# KiCad board project.kicad_pcb (continued)
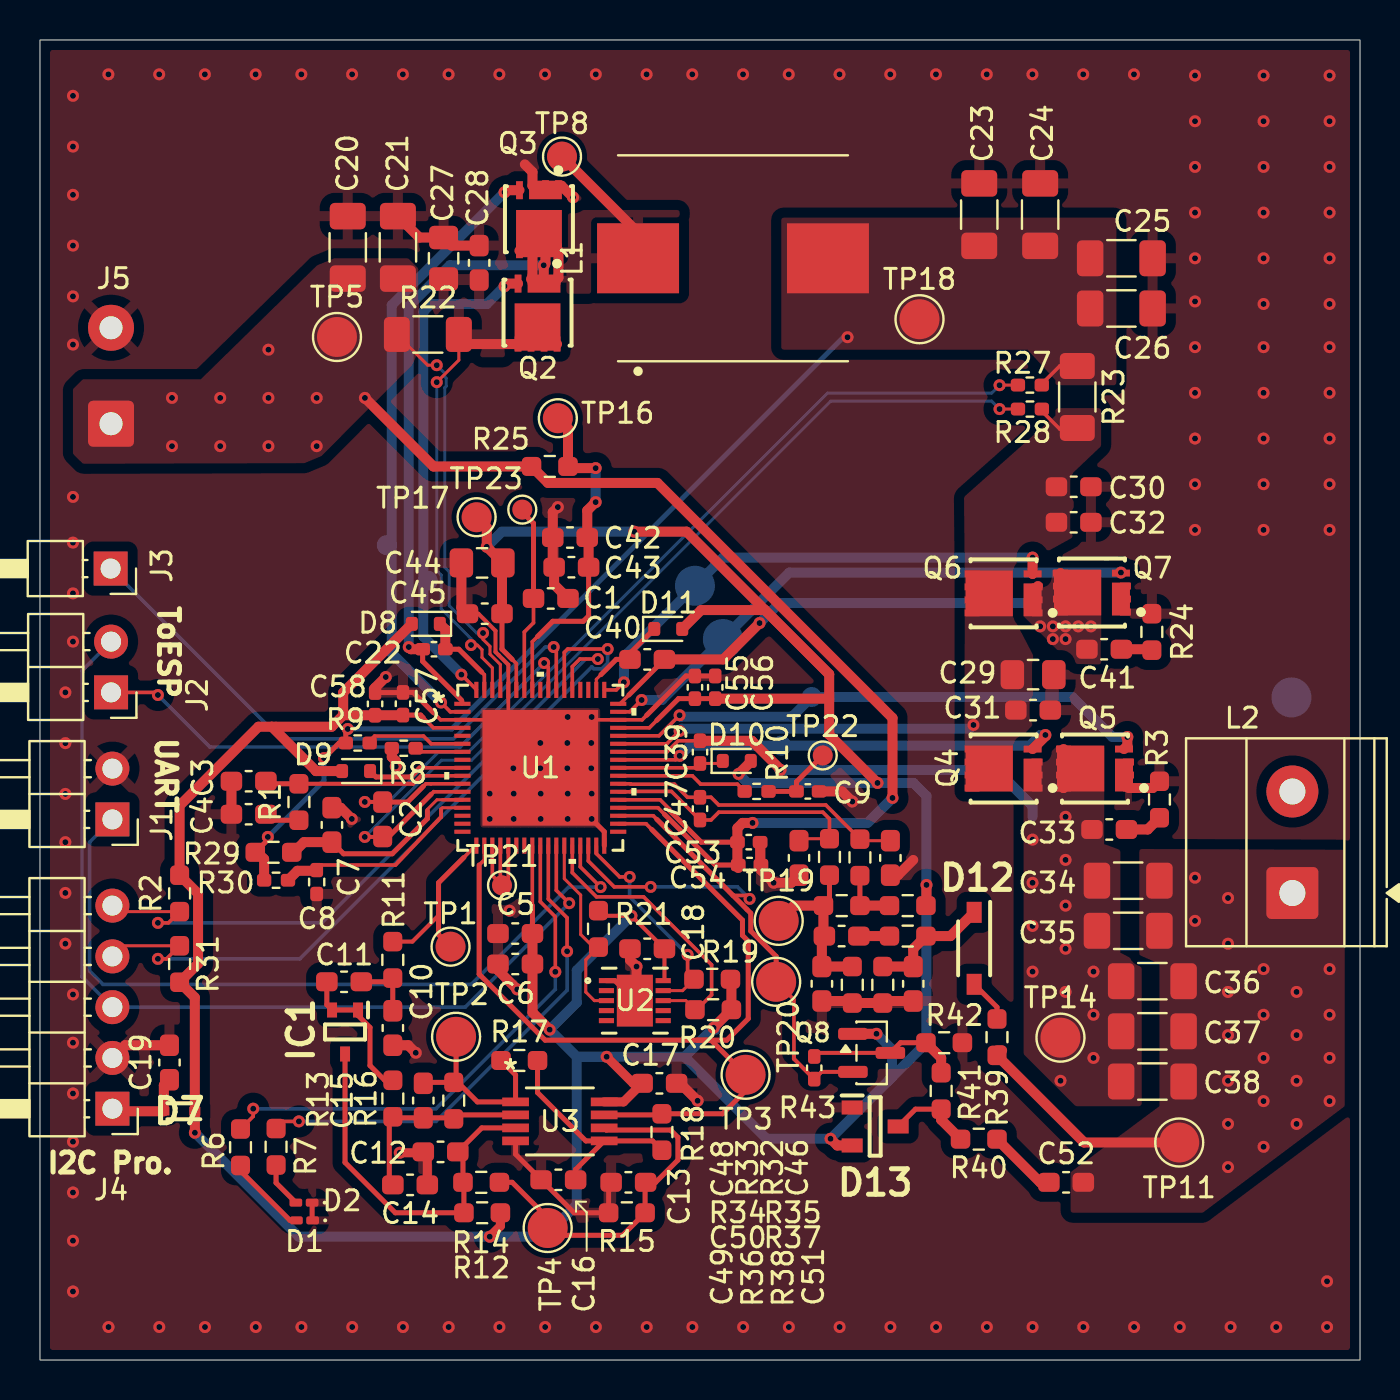
[diagram p0: board, top side]
## Footprints (pads in the part's own frame, mm; a bottom-side part is the same pattern mirrored in y, then rotated)
C_0402_1005Metric_Pad0.74x0.62mm_HandSolder
  rrect 0.735x0.62 smd: 1(-0.568,0) 2(0.568,0)
C_0603_1608Metric_Pad1.08x0.95mm_HandSolder
  rrect 1.075x0.95 smd: 1(-0.863,0) 2(0.863,0)
C_0805_2012Metric_Pad1.18x1.45mm_HandSolder
  rrect 1.175x1.45 smd: 1(-1.038,0) 2(1.038,0)
C_1206_3216Metric_Pad1.33x1.80mm_HandSolder
  rrect 1.325x1.8 smd: 1(-1.562,0) 2(1.562,0)
D_SOD-523
  rrect 0.6x0.7 smd: 1(-0.7,0) 2(0.7,0)
DGK8_TEX
  rect 1.333x0.432 smd: 1(-2.216,0.975) 2(-2.216,0.325) 3(-2.216,-0.325) 4(-2.216,-0.975) 5(2.216,-0.975) 6(2.216,-0.325) 7(2.216,0.325) 8(2.216,0.975)
IFX-PG-TSDSON-8-26-V
  rect 0.55x0.34 smd: 1(-1.625,0.975) 2(-1.625,0.325) 3(-1.625,-0.325)
  custom 0.9x1.64 smd: 1(-0.95,1.145)
  rect 0.9x0.34 smd: 4(-1.4,-0.975)
  rect 0.75x0.34 smd: 5(1.625,-0.975) 6(1.625,-0.325) 7(1.625,0.325) 8(1.625,0.975)
  custom 2.361x2.29 smd: 8(-0.41,1.145)
LED_0201_0603Metric_Pad0.64x0.40mm_HandSolder
  rrect 0.458x0.36 smd: (-0.432,0) (0.432,0)
  rrect 0.635x0.4 smd: 1(-0.407,0) 2(0.407,0)
PG-USON-10-2
  rect 0.757x0.255 smd: 1(-1.42,1) 2(-1.42,0.5) 3(-1.42,0) 4(-1.42,-0.5) 5(-1.42,-1) 6(1.42,-1) 7(1.42,-0.5) 8(1.42,0) 9(1.42,0.5) 10(1.42,1)
  rect 1.803x2.591 smd: 11(0,0)
PG-VQFN-68
  rect 0.808x0.204 smd: 1(-3.897,3.2) 2(-3.897,2.8) 3(-3.897,2.4) 4(-3.897,2) 5(-3.897,1.6) 6(-3.897,1.2) 7(-3.897,0.8) 8(-3.897,0.4) 9(-3.897,0) 10(-3.897,-0.4) 11(-3.897,-0.8) 12(-3.897,-1.2) 13(-3.897,-1.6) 14(-3.897,-2) 15(-3.897,-2.4) 16(-3.897,-2.8) 17(-3.897,-3.2) 35(3.897,-3.2) 36(3.897,-2.8) 37(3.897,-2.4) 38(3.897,-2) 39(3.897,-1.6) 40(3.897,-1.2) 41(3.897,-0.8) 42(3.897,-0.4) 43(3.897,0) 44(3.897,0.4) 45(3.897,0.8) 46(3.897,1.2) 47(3.897,1.6) 48(3.897,2) 49(3.897,2.4) 50(3.897,2.8) 51(3.897,3.2)
  rect 0.204x0.808 smd: 18(-3.2,-3.897) 19(-2.8,-3.897) 20(-2.4,-3.897) 21(-2,-3.897) 22(-1.6,-3.897) 23(-1.2,-3.897) 24(-0.8,-3.897) 25(-0.4,-3.897) 26(0,-3.897) 27(0.4,-3.897) 28(0.8,-3.897) 29(1.2,-3.897) 30(1.6,-3.897) 31(2,-3.897) 32(2.4,-3.897) 33(2.8,-3.897) 34(3.2,-3.897) 52(3.2,3.897) 53(2.8,3.897) 54(2.4,3.897) 55(2,3.897) 56(1.6,3.897) 57(1.2,3.897) 58(0.8,3.897) 59(0.4,3.897) 60(0,3.897) 61(-0.4,3.897) 62(-0.8,3.897) 63(-1.2,3.897) 64(-1.6,3.897) 65(-2,3.897) 66(-2.4,3.897) 67(-2.8,3.897) 68(-3.2,3.897)
  rect 5.791x5.791 smd: 69(0,0)
PinHeader_1x01_P2.54mm_Horizontal
  rect 1.7x1.7 hole 1: 1(0,0)
PinHeader_1x02_P2.54mm_Horizontal
  rect 1.7x1.7 hole 1: 1(0,0)
  round 1.7 hole 1: 2(0,-2.54)
PinHeader_1x05_P2.54mm_Horizontal
  rect 1.7x1.7 hole 1: 1(0,0)
  round 1.7 hole 1: 2(0,-2.54) 3(0,-5.08) 4(0,-7.62) 5(0,-10.16)
R_0402_1005Metric_Pad0.72x0.64mm_HandSolder
  rrect 0.715x0.64 smd: 1(-0.598,0) 2(0.598,0)
R_0603_1608Metric_Pad0.98x0.95mm_HandSolder
  rrect 0.975x0.95 smd: 1(-0.912,0) 2(0.912,0)
R_1206_3216Metric_Pad1.30x1.75mm_HandSolder
  rrect 1.3x1.75 smd: 1(-1.55,0) 2(1.55,0)
SOD3716X135N
  rect 1.05x0.75 smd: 1(-1.8,0) 2(1.8,0)
SODFL1608X65N
  rect 0.55x0.42 smd: 1(-0.775,0) 2(0.775,0)
SolderWire-0.5sqmm_1x02_P4.8mm_D0.9mm_OD2.3mm
  rrect 2.3x2.3 hole 1.15: 1(0,0)
  round 2.3 hole 1.15: 2(4.8,0)
SOT65P210X100-3N
  rect 0.75x0.5 smd: 1(-1.1,0.65) 2(-1.1,-0.65) 3(1.1,0)
SOT95P240X120-3N
  rect 1.05x0.7 smd: 1(-1.15,0.95) 2(-1.15,-0.95) 3(1.15,0)
SOT-23
  rrect 1.475x0.6 smd: 1(-0.938,0.95) 2(-0.938,-0.95) 3(0.938,0)
TerminalBlock_Phoenix_MKDS-1,5-2-5.08_1x02_P5.08mm_Horizontal
  rrect 2.6x2.6 hole 1.3: 1(0,0)
  round 2.6 hole 1.3: 2(5.08,0)
TestPoint_Pad_D1.0mm
  round 1 smd: 1(0,0)
TestPoint_Pad_D1.5mm
  round 1.5 smd: 1(0,0)
TestPoint_Pad_D2.0mm
  round 2 smd: 1(0,0)
Yageo_Pulse_PA4342_10.3x11.5mm
  rect 3.5x4.1 smd: 1(0,4.75) 2(0,-4.75)

## Nets
/Vin: C42.2 C43.2 R25.2 TP16.1 U1.61
GND: C1.2 C3.1 C4.1 C5.1 C6.1 C7.1 C8.1 C9.2 C10.2 C12.2 C13.2 C14.1 C16.1 C17.2 C18.1 C19.2 C20.2 C21.2 C23.2 C24.2 C25.2 C26.2 C27.2 C28.2 C29.2 C30.2 C31.2 C32.2 C42.1 C43.1 C44.1 C45.1 C46.2 C48.2 C49.1 C51.1 C53.2 C54.2 C55.1 C56.1 C57.1 C58.1 D1.1 D2.1 D13.1 J1.2 J4.2 J5.2 Q3.1 Q3.2 Q3.3 Q5.1 Q5.2 Q5.3 Q7.1 Q7.2 Q7.3 R3.2 R8.1 R15.2 R24.2 R36.1 R38.1 R42.2 U1.3 U1.34 U1.49 U1.64 U1.69 U2.1 U2.11 U3.4
PVIN_0: C20.1 C21.1 C53.1 C54.1 J5.1 R22.1 R25.1 TP5.1 U1.38 U1.39 U1.65
VDDD: C5.2 C6.2 C17.1 C18.2 C44.2 C45.2 C55.2 C56.2 C57.2 C58.2 D7.1 D8.2 D9.2 D10.2 D11.2 D13.2 Q8.1 R2.2 R12.1 R19.1 R20.1 R21.1 R31.2 R35.2 TP17.1 U1.4 U1.25 U1.48 U1.63 U2.10 U3.8
/ASK_DEMOD: R18.2 TP3.1 U1.19 U1.36 U3.7
/ASK_I_N: C49.2 C50.2 R33.2 R34.1 R36.2 TP19.1
/ASK_I_P: R32.2 R34.2 R35.1
/ASK_N: C47.1 C48.1 R33.1 U1.40
/ASK_OUT: R11.1 TP1.1 U1.18
/ASK_P: C46.1 C47.2 R32.1 U1.41
/ASK_PEAK: C51.2 D12.1 R37.2 R38.2
/BST1_0: C22.2 D8.1 U1.67
/BST1_1: C40.1 D11.1 U1.53
/BST2_0: D9.1 U1.9
/BST2_1: C39.1 D10.1 U1.43
/COIL_SNS: C34.2 C35.2 C36.2 C37.2 C38.2 C52.2 L2.1 R39.2 TP11.1
/HG1_0: Q2.4 TP6.1 U1.68
/HG1_1: Q6.4 TP12.1 U1.52
/HG2_1: Q4.4 TP9.1 U1.44
/HPI_I2C_SCL: J4.4 R31.1 U1.57
/HPI_I2C_SDA: J4.5 R2.1 U1.56
/IIN_CS0_N: C27.1 C28.1 Q2.5 Q2.6 Q2.7 Q2.8 R22.2 U1.66
/IOUT_CSN_0: C29.1 C30.1 C31.1 C32.1 Q4.5 Q4.6 Q4.7 Q4.8 Q6.5 Q6.6 Q6.7 Q6.8 R23.2 R28.1 U1.46
/IOUT_CSP_0: C23.1 C24.1 C25.1 C26.1 L1.2 R9.2 R23.1 R27.1 R29.1 R30.1 TP18.1
/IOUT_CSP_0_N: C2.2 R28.2 U1.12
/IOUT_CSP_0_P: C2.1 R27.2 U1.11
/LG1_0: Q3.4 TP7.1 U1.2
/LG1_1: Q7.4 TP13.1 U1.50
/LG2_1: Q5.4 TP10.1 U1.47
/OPTIGA_I2C_INT: R19.2 U1.33 U2.9
/OPTIGA_I2C_SCL: R20.2 U1.30 U2.8
/OPTIGA_I2C_SDA: R21.2 U1.29 U2.3
/Q_COMP: Q8.2 R43.2 TP20.1 U1.32 U1.37
/SW1_0: C22.1 L1.1 Q2.1 Q2.2 Q2.3 Q3.5 Q3.6 Q3.7 Q3.8 TP8.1 U1.1
/SW1_1: C40.2 C41.1 L2.2 Q6.1 Q6.2 Q6.3 Q7.5 Q7.6 Q7.7 Q7.8 TP15.1 U1.51
/SW2_1: C33.1 C34.1 C35.1 C36.1 C37.1 C38.1 C39.2 Q4.1 Q4.2 Q4.3 Q5.5 Q5.6 Q5.7 Q5.8 TP14.1 U1.45
/toESP: J2.1 U1.59
/XRES: J2.2 J4.3 U1.28
Net-(C4-Pad2): C4.2 R1.1
Net-(C9-Pad1): C9.1 R10.2 TP22.1
Net-(C10-Pad1): C10.1 C11.1 R11.2
Net-(C33-Pad2): C33.2 R3.1
Net-(C41-Pad2): C41.2 R24.1
Net-(C50-Pad1): C50.1 R37.1
Net-(C52-Pad1): C52.1 R40.1
Net-(D1-A): D1.2 R6.1
Net-(D2-A): D2.2 R7.1
Net-(D7-A): C19.1 D7.2 J4.1
Net-(D12-A): D12.2 R39.1
Net-(D13-A_/_C): D13.3 R40.2 R41.1
Net-(IC1-A): C11.2 IC1.1 IC1.2 R13.1
Net-(IC1-A/K): C12.1 IC1.3 R12.2 R14.1 U3.3
Net-(J1-Pin_1): J1.1 U1.31
Net-(J3-Pin_1): J3.1 U1.58
Net-(Q8-D): Q8.3 R41.2 R42.1 R43.1
Net-(U1-ASK_TST): R10.1 U1.42
Net-(U1-COMP): C3.2 R1.2 U1.10
Net-(U1-LED1): R6.2 U1.26
Net-(U1-LED2): R7.2 U1.27
Net-(U1-PWM_IN1): TP21.1 U1.20 U1.21 U1.22
Net-(U1-SW2_0): R8.2 U1.7
Net-(U1-VBB_0): R9.1 U1.6
Net-(U1-VBRG): C7.2 R29.2 U1.13
Net-(U1-VBRG_DIS): C8.2 R30.2 U1.14
Net-(U1-VCCD): C1.1 TP23.1 U1.62
Net-(U3-+INB): C16.2 R17.2 R18.1 U3.5
Net-(U3--INA): C14.2 C15.1 R13.2 R16.1 U3.2
Net-(U3--INB): C13.1 R14.2 R15.1 TP4.1 U3.6
Net-(U3-OUTA): C15.2 R16.2 R17.1 TP2.1 U3.1

Pads without a net: U1 5 8 15 16 17 23 24 35 54 55 60; U2 2 4 5 6 7

## Via types
v1: diameter 0.6, hole 0.3, Top to Bottom, 253 vias

## Routing (per net, layer and track width the routed paths; a pad name or vN(x,y) marks a point on that pad's centre or on a via; arc(x,y) is an arc through that point)
/Vin: length 17.4
  Top w0.18: 24.89,36.2 24.63,35.93 U1.61
  Top w0.25: 24.89,36.2 25.65,36.96 27.18,36.96 27.45,37.23 C43.2
  Top w0.5: TP16.1 26.42,46.61 R25.2 26.5,44.62 v1(27.8,44.62) ; v1(27.8,42.92) 27.38,42.5 C42.2 27.45,41.08 C43.2
  Bottom w0.5: v1(27.8,42.92) v1(27.8,44.62)
GND: length 93.4
  Top w0.18: U1.69 23.43,31.23 U1.64 23.43,34.48 ; U1.69 27.43,32.03 U1.49 30.12,32.03 30.35,32.26 ; U1.69 22.63,32.03 U1.3 20.04,32.03 19.68,32.39
  Top w0.2: 23.43,34.48 23.43,34.78 22.79,35.43 22.79,36.48 21.93,37.34 21.39,37.34
  Top w0.25: D1.1 13.62,7.01 D2.1 ; C58.1 18.15,33.39 18.16,33.4 18.67,33.4 19.68,32.39 ; U1.69 28.23,26.43 U1.34 ; C13.2 28.45,8.76 R15.2 26.72,7.37 C16.1 23.79,10.3 U3.4 ; C56.1 C55.1 32.32,34.22 30.35,32.26 ; U2.1 28.76,18.98 U2.11
  Top w0.45: v1(18,10.37) 19.13,10.37 C12.2 19.38,10.21 C14.1
  Top w0.5: C49.1 40.54,17.96 R36.1 R38.1 42.26,17.96 C51.1 ; C18.1 29.52,20.01 v1(29.84,19.69) 29.84,18.07 U2.11 ; C21.2 18.98,56.16 C27.2 20.6,55.75 21.97,55.75 ; C53.2 36.03,24.81 C54.2 36.07,24.51 v1(36.7,23.88) 37.59,23.88 C48.2 ; C3.1 C4.1 ; v1(15.6,27.07) 15.04,27.63 14.6,27.63 ; v1(17.3,34.17) 16.76,33.63 C58.1 ; v1(25.91,42.67) 25.65,42.42 C42.1 25.65,39.73 C43.1 25.72,38.79 C1.2 ; C10.2 18.42,15.75 v1(18.8,15.37) ; 22.91,19.81 22.91,19.51 v1(23.88,18.54) ; v1(26.67,58.17) 26.09,58.75 Q3.1 Q3.3 24.64,59.44 24.26,59.82 ; C44.1 21.08,37.65 21.39,37.34 ; 43.69,25.02 42.93,24.26 C46.2 ; R3.2 55.67,28.62 Q5.1 ; C17.2 32.03,13.84 v1(32.9,12.97) ; C19.2 4.26,15.75 J4.2 ; v1(40.64,27.94) 40.13,28.45 C9.2 ; v1(17.8,29.7) 17.8,29.97 17.6,30.17 R8.1
  vias: v1(1.27,33.4) v1(1.27,30.86) v1(1.27,28.32) v1(1.27,25.91) v1(1.27,23.37) v1(1.27,20.83) v1(1.65,63.25) v1(1.65,60.71) v1(1.65,58.29) v1(1.65,55.75) v1(1.65,53.21) v1(1.65,50.8) v1(1.65,43.18) v1(1.65,40.89) v1(1.65,38.35) v1(1.65,35.94) v1(1.65,18.29) v1(1.65,15.88) v1(1.65,13.34) v1(1.65,10.92) v1(1.65,8.38) v1(1.65,5.97) v1(1.65,3.43) v1(3.42,64.32) v1(3.43,1.65) v1(5.96,64.32) v1(5.97,1.65) v1(8.25,64.32) v1(8.25,1.65) v1(10.79,64.32) v1(10.8,1.65) v1(13.08,64.32) v1(13.08,1.65) v1(15.62,64.32) v1(15.62,1.65) v1(18.16,64.32) v1(18.16,1.65) v1(20.44,64.32) v1(20.45,1.65) v1(22.5,28.33) v1(22.5,27.07) v1(22.98,64.32) v1(22.99,1.65) v1(23.49,22.48) v1(23.68,29.61) v1(23.7,28.33) v1(23.7,27.07) v1(25.03,30.87) v1(25.03,29.61) v1(25.05,27.07) v1(25.05,28.33) v1(25.27,64.32) v1(25.27,1.65) v1(26.4,32.17) v1(26.38,30.87) v1(26.38,29.61) v1(26.4,28.33) v1(26.4,27.07) v1(27.6,32.17) v1(27.58,30.87) v1(27.58,29.61) v1(27.6,28.33) v1(27.6,27.07) v1(27.81,64.32) v1(27.81,1.65) v1(30.35,64.32) v1(30.35,1.65) v1(32.63,64.32) v1(32.64,1.65) v1(35.17,64.32) v1(35.18,1.65) v1(37.46,64.32) v1(37.46,1.65) v1(40,64.32) v1(40.01,1.65) v1(42.54,64.32) v1(42.54,1.65) v1(44.83,64.32) v1(44.83,1.65) v1(47.37,64.32) v1(47.37,1.65) v1(49.65,64.32) v1(49.66,1.65) v1(52.19,64.32) v1(52.2,1.65) v1(54.73,64.32) v1(54.74,1.65) v1(57.02,1.65) v1(57.79,64.26) v1(57.79,61.98) v1(57.79,59.69) v1(57.79,57.4) v1(57.79,55.12) v1(57.79,52.96) v1(57.79,50.67) v1(57.79,48.39) v1(57.79,46.1) v1(57.79,43.82) v1(57.79,41.53) v1(59.56,1.65) v1(61.21,64.26) v1(61.21,61.98) v1(61.21,59.69) v1(61.21,57.4) v1(61.21,55.12) v1(61.21,52.83) v1(61.21,50.67) v1(61.21,48.39) v1(61.21,46.1) v1(61.21,43.82) v1(61.21,41.53) v1(61.85,1.65) v1(64.39,3.94) v1(64.39,1.65) v1(64.52,64.26) v1(64.52,61.98) v1(64.52,59.69) v1(64.52,57.4) v1(64.52,55.12) v1(64.52,52.83) v1(64.52,50.67) v1(64.52,48.39) v1(64.52,46.1) v1(64.52,43.82) v1(64.52,41.53)
PVIN_0: length 81.9
  Top w0.15: v1(22.16,36.37) 22.16,36.05 22.51,35.7 22.51,35.31 23.03,34.79 U1.65 ; v1(19.85,49.77) 19.39,49.77 R22.1
  Top w0.18: U1.39 31.03,28.03 31.5,27.56 31.5,27.49 ; 31.24,27.31 30.92,27.63 U1.38
  Top w0.25: 31.24,27.31 33.78,24.77 C54.1 ; 31.5,27.49 33.08,25.91 C53.1
  Top w0.5: v1(42.65,28.12) 42.65,32.12 30.89,43.88 25.42,43.88 24.59,44.7 19.68,44.7 v1(16.26,48.13) ; v1(35.65,26.87) 35.15,26.87 34.89,26.61 C53.1 34.89,24.81 C54.1 34.93,24.61
  Bottom w0.15: v1(22.16,36.37) 21.85,36.37 20.47,37.74 20.47,39.43 20.25,39.66 20.25,48.65 20.32,48.72 20.32,49.12 20.25,49.19 20.25,49.37 v1(19.85,49.77)
  Bottom w0.5: v1(35.65,26.87) 41.4,26.87 v1(42.65,28.12)
  vias: v1(6.6,48.13) v1(6.6,45.72) v1(9.02,48.13) v1(9.02,45.72) v1(11.43,50.55) v1(11.43,48.13) v1(11.43,45.72) v1(13.84,48.13) v1(13.84,45.72)
VDDD: length 217.7
  Top w0.18: 19.18,32.13 19.68,31.63 U1.4 ; U1.25 24.63,22.74 24.64,22.73 ; U1.63 23.83,34.84 23.62,35.05 ; U1.48 30.49,31.63 30.86,32
  Top w0.2: R21.1 28.2,22.23 v1(29.59,22.23) C18.2 31.24,19.04 U2.10
  Top w0.25: C56.2 C55.2 31.94,33.09 30.86,32 ; 19.18,32.13 19.04,32.27 C57.2 ; C45.2 23.11,35.56 23.62,35.05 ; 24.64,22.73 C5.2 ; 16.77,32.27 C58.2
  Top w0.45: R12.1 23.03,6.7 v1(22.5,6.17) ; v1(28.35,15.17) 29.68,13.84 C17.1 29.2,12.91 U3.8
  Top w0.5: R19.1 34.59,19 34.59,17.53 33.7,16.64 v1(33.7,16.62) ; 15.17,32.26 C58.2 18.15,32.26 C57.2 ; 15.17,32.26 14.59,31.68 11.6,31.68 ; 15.17,32.26 15.17,33.39 D8.2 ; v1(41.85,16.32) 40.67,16.32 Q8.1 ; v1(41.9,28.87) 39.48,31.29 39.48,33.09 ; v1(7.75,11.37) 7.75,12.44 D7.1 7.75,18.14 R31.2 7.91,19.82 7.91,23.33 R2.2 6.98,27.74 10.93,31.68 11.6,31.68 ; v1(29.73,41.44) 32.35,41.44 39.48,34.31 ; D11.2 33.07,37.52 36.27,37.52 39.48,34.31 ; 11.6,31.68 13.81,29.48 13.81,29.46 D9.2 ; v1(25.5,16.53) 24.64,17.39 C6.2 C5.2 ; 39.48,34.31 39.48,33.09 ; 39.48,33.09 C56.2 ; D13.2 39.89,10.73 v1(39.55,11.07) ; D10.2 35.56,29.93 v1(34.95,29.32) ; v1(44.35,23.77) 44.35,22.76 44.32,22.73 ; C45.2 23.11,39.84 C44.2 v1(22.35,40.68) 22.35,41.66 TP17.1
  Bottom w0.5: v1(7.75,11.37) 12.95,6.17 v1(22.5,6.17) 25.25,6.17 26.86,7.78 26.86,15.17 ; v1(41.85,16.32) 42.62,15.55 42.62,14.15 42.45,13.97 ; 42.45,13.97 44.35,15.87 v1(44.35,23.77) 44.35,28.22 43.7,28.87 v1(41.9,28.87) 35.4,28.87 v1(34.95,29.32) ; 42.45,13.97 v1(39.55,11.07) 36.35,11.07 32.25,15.17 ; 26.86,15.17 v1(28.35,15.17) ; 26.86,15.17 v1(25.5,16.53) 26.86,17.88 26.86,19.49 v1(29.59,22.23) ; 26.86,15.17 32.25,15.17 ; v1(29.73,41.44) 23.11,41.44 v1(22.35,40.68) ; 32.25,15.17 v1(33.7,16.62) 33.8,16.52
/ASK_DEMOD: length 46.6
  Top w0.18: U1.36 30.32,26.83 30.61,26.54 ; U1.19 22.23,25.03 21.97,24.77
  Top w0.25: 30.61,26.54 35.15,22.01 35.15,21.24 35.43,20.95 35.43,17.08 34.36,16 32.89,16 ; 32.89,16 25.27,16 21.97,19.3 21.97,24.77 ; 32.89,16 33.57,16 TP3.1 35.3,13.47 34.15,12.32 R18.2 31.06,12.26 U3.7
/ASK_I_N: length 8.8
  Top w0.25: R34.1 39.5,23.03 R33.2
  Top w0.5: R36.2 C49.2 39.12,21.08 C50.2 39.2,21.26 R34.1 37.72,22.73 TP19.1
/ASK_I_P: length 3
  Top w0.25: R34.2 R32.2
  Top w0.5: R34.2 R35.1
/ASK_N: length 14
  Top w0.15: C48.1 38.07,26.08 R33.1
  Top w0.18: U1.40 29.53,28.43 29.55,28.45 31.59,28.45 C47.1 33.57,27.02 33.96,27.41 39.16,27.41 39.5,27.07 R33.1
/ASK_OUT: length 8.9
  Top w0.18: 21.21,25.15 21.8,25.73 U1.18
  Top w0.2: R11.1 18.63,20.93 19.94,22.24
  Top w0.25: 21.21,25.15 19.94,23.88 19.94,21.28 TP1.1
/ASK_P: length 14.8
  Top w0.15: R32.1 41.17,26.06 41.25,25.98 C46.1
  Top w0.18: R32.1 39.31,27.77 33.96,27.77 33.57,28.15 C47.2 32.39,28.15 31.74,28.81 29.55,28.81 29.53,28.83 U1.41
/ASK_PEAK: length 6.2
  Top w0.5: R38.2 C51.2 43.69,20.57 44.32,21.21 45.55,21.21 D12.1
/BST1_0: length 4.6
  Top w0.18: U1.67 22.23,34.28 22.1,34.42
  Top w0.25: C22.2 20.95,35.56 22.1,34.42
  Top w0.5: C22.2 20.28,36.56 D8.1
/BST1_1: length 4.7
  Top w0.15: 28.07,34.29 27.83,34.05 U1.53
  Top w0.25: D11.1 29.52,35.36 C40.1 28.83,35.05 28.07,34.29
/BST2_0: length 4.9
  Top w0.18: U1.9 19,29.63
  Top w0.25: D9.1 16.81,29.17 18.54,29.17 19,29.63
/BST2_1: length 5.4
  Top w0.15: D10.1 34.03,29.84 C39.1
  Top w0.18: U1.43 32.8,29.63 C39.1
/COIL_SNS: length 11.2
  Top w0.5: 48.13,15.49 47.88,15.49 ; TP11.1 52.24,10.88 R39.2
  vias: v1(57.79,24.13) v1(57.79,21.97) v1(59.44,23.11) v1(59.44,20.83) v1(59.44,18.42) v1(59.44,16.26) v1(59.44,13.97) v1(59.44,11.81) v1(59.44,9.65) v1(61.21,19.56) v1(61.21,17.27) v1(61.21,15.11) v1(61.21,12.95) v1(61.21,10.67) v1(62.87,18.42) v1(62.87,16.26) v1(62.87,13.97) v1(62.87,11.81) v1(64.52,19.56) v1(64.52,17.27) v1(64.52,15.11) v1(64.52,12.95)
/HG1_0: length 25.3
  Top w0.18: U1.68 21.83,33.54 v1(21.08,34.29)
  Top w0.5: v1(23.24,53.72) 23.37,53.85 Q2.4
  Bottom w0.5: v1(23.24,53.72) 22.35,52.83 19.56,52.83 19.18,52.45 19.18,36.2 v1(21.08,34.29)
/HG1_1: length 25.7
  Top w0.18: v1(29.21,33.91) 28.83,33.53 U1.52
  Top w0.5: 49.66,39.33 49.66,39.33 v1(49.66,40.15)
  Bottom w0.5: v1(29.21,33.91) 29.21,35.18 TP12.1 34.18,40.15 v1(49.66,40.15)
/HG2_1: length 22.9
  Top w0.18: U1.44 31.81,30.03 v1(32,30.23)
  Top w0.5: Q4.4 50.3,31.21 v1(50.3,31.27)
  Bottom w0.5: v1(50.3,31.27) 50.05,31.27 49.52,30.73 TP9.1 32.51,30.73 v1(32,30.23)
/HPI_I2C_SCL: length 38.5
  Top w0.15: R31.1 4.15,20.72 J4.4
  Top w0.18: v1(28.4,35.57) 26.4,35.57 26.23,35.4 U1.57 ; v1(5.9,20.07) 6.33,20.07 R31.1
  Bottom w0.18: v1(5.9,20.07) 13,20.07 27.61,34.68 27.71,34.58 28.11,34.58 28.4,34.87 28.4,35.27 28.3,35.37 28.4,35.47 v1(28.4,35.57)
/HPI_I2C_SDA: length 34.9
  Top w0.15: R2.1 3.92,22.43 J4.5
  Top w0.18: v1(27.91,35.07) 27.01,35.07 26.63,34.69 U1.56 ; R2.1 6.42,21.87 v1(5.9,21.87)
  Bottom w0.18: v1(27.91,35.07) 27.3,35.07 14.1,21.87 v1(5.9,21.87)
/IIN_CS0_N: length 24.7
  Top w0.15: v1(19.85,48.92) 20.95,50.03 R22.2 ; U1.66 22.63,34.63 22.11,35.15 22.11,35.54 21.88,35.77 v1(21.56,35.77)
  Top w0.5: R22.2 21.44,50.83 Q2.5 23.92,50.83 Q2.8
  Bottom w0.15: v1(19.85,48.92) 19.85,39.49 20.07,39.27 20.07,37.58 21.56,36.09 v1(21.56,35.77)
/IOUT_CSN_0: length 20.4
  Top w0.18: 50.06,47.54 51.02,46.58 51.89,46.58 ; v1(32,31.47) 31.36,30.83 U1.46
  Bottom w0.5: v1(46.7,31.77) 46.51,31.58 32.11,31.58 v1(32,31.47)
/IOUT_CSP_0: length 45.3
  Top w0.18: 50.06,48.77 51.02,49.73 R23.1
  Top w0.25: v1(14.21,30.11) 14.97,30.87 R9.2 15.3,31.47 v1(15.4,31.57) ; v1(11.4,26.17) 11.4,26.03 R29.1
  Top w0.5: R30.1 11.21,25.06 10.88,25.4 R29.1
  Bottom w0.25: v1(15.4,31.57) 20.6,31.57 40.2,51.17 v1(40.4,51.17) ; v1(11.4,26.17) 14.21,28.98 v1(14.21,30.11)
/IOUT_CSP_0_N: length 48
  Top w0.15: v1(48.01,47.57) 48.01,47.58 R28.2
  Top w0.18: 19.57,28.31 19.7,28.43 19.7,28.43 U1.12
  Top w0.2: C2.2 17.13,26.17 v1(16.25,26.17)
  Top w0.25: 17.32,25.96 17.32,26.01 C2.2 17.45,26.19 19.57,28.31
  Bottom w0.15: v1(16.25,26.17) 20.09,30.01 21.59,30.01 39.56,47.97 47.61,47.97 v1(48.01,47.57)
/IOUT_CSP_0_P: length 46.9
  Top w0.15: v1(48.01,48.77) 48.01,48.77 R27.2
  Top w0.18: U1.11 19.56,28.83 19.56,28.83 19.3,28.83 19.18,28.7
  Top w0.2: v1(16.25,27.92) 17.14,27.92 C2.1
  Top w0.25: 19.18,28.7 18.39,27.91 C2.1 17.37,27.69
  Bottom w0.15: v1(16.25,27.92) 17.43,27.92 19.92,30.41 21.43,30.41 39.39,48.37 47.61,48.37 v1(48.01,48.77)
/LG1_0: length 30.9
  Top w0.18: U1.2 20.53,32.43 v1(20.07,32.89)
  Top w0.5: Q3.4 23.35,58.52 v1(23.24,58.42)
  Bottom w0.5: v1(23.24,58.42) 17.6,52.78 17.6,35.36 v1(20.07,32.89)
/LG1_1: length 28
  Top w0.18: v1(30.1,33.02) 29.51,32.43 U1.50
  Bottom w0.5: v1(30.1,33.02) 31.12,33.02 TP13.1 37.49,39.4 v1(54.08,39.4)
/LG2_1: length 27.8
  Top w0.18: v1(32,32.26) 30.97,31.23 U1.47
  Top w0.5: v1(54.4,31.17) 54.4,30.73 Q5.4
  Bottom w0.5: v1(54.4,31.17) 53.65,31.17 51.65,33.17 TP10.1 37.62,32.18 32.07,32.18 v1(32,32.26)
/OPTIGA_I2C_INT: length 10.8
  Top w0.15: R19.2 32.15,18.48 U2.9
  Top w0.18: v1(29.5,24.17) 29,24.17 27.83,25.34 U1.33 ; R19.2 32.4,19.37 v1(32.4,20.27)
  Bottom w0.18: v1(32.4,20.27) 29.5,23.17 v1(29.5,24.17)
/OPTIGA_I2C_SCL: length 14.6
  Top w0.15: R20.2 32.31,17.98 U2.8
  Top w0.18: U1.30 26.63,24.38 27.84,23.17 30.2,23.17 33.6,19.77 33.6,18.27 32.86,17.53 R20.2
/OPTIGA_I2C_SDA: length 9.7
  Top w0.15: U1.29 26.23,24.08 27.05,23.26 27.05,21.29 27.68,20.66 R21.2 27.3,20.02 27.3,18.41 27.73,17.98 U2.3
/Q_COMP: length 30.9
  Top w0.18: TP20.1 37.72,18.03 37.72,15.37 ; 35.56,22.35 35.56,22.35 ; 34.67,23.24 35.33,23.24 v1(35.5,23.07) ; v1(30.55,23.67) 28.73,23.67 27.43,24.97 U1.32 ; 30.86,27.05 30.68,27.23 U1.37
  Top w0.2: Q8.2 39.1,14.42 R43.2 37.72,15.07 37.72,15.37
  Top w0.25: 35.56,22.35 35.56,21.46 36.83,20.19 TP20.1 ; 30.86,27.05 35.56,22.35
  Bottom w0.18: v1(35.5,23.07) 34.9,23.67 v1(30.55,23.67)
/SW1_0: length 40.6
  Top w0.18: 21.08,33.02 21.13,32.97 U1.1
  Top w0.25: 21.08,33.02 19.14,34.96 C22.1
  Top w0.5: Q3.5 Q3.6 24.64,54.15 24.57,54.08 ; TP8.1 29.92,56.4 L1.1 ; Q2.1 25.94,54.15 Q3.8 ; Q3.7 25.29,54.86 v1(25.2,54.77) 25.2,54.09 Q2.2 ; v1(18.45,35.67) 18.56,35.56 C22.1
  Bottom w0.5: v1(18.45,35.67) 18.45,52.71 20.51,54.77 v1(25.2,54.77)
/SW1_1: length 23.5
  Top w0.18: U1.51 29.02,32.83 29.46,33.27
  Top w0.25: 29.46,33.27 C40.2
  Top w0.5: C40.2 34.18,35.05 v1(36,36.87) ; Q7.5 Q7.6 ; 49.93,38.72 Q6.3
  Bottom w0.5: v1(36,36.87) 37,37.87 49.6,37.87
  vias: v1(50.04,36.7) v1(50.67,36.7) v1(50.67,36.07) v1(51.31,36.7) v1(51.31,36.07) v1(51.94,36.7) v1(52.58,36.7)
/SW2_1: length 24.8
  Top w0.18: C39.2 31.92,30.98 31.37,30.43 U1.45
  Top w0.5: Q5.5 51.21,28.62 Q5.8 ; C39.2 35.61,30.98 37.05,29.54 v1(37.05,29.52)
  Bottom w0.5: v1(37.05,29.52) 47.85,29.52 49.66,27.71 49.66,27.18
  vias: v1(49.66,26.04) v1(49.66,23.88) v1(49.66,21.72) v1(49.66,19.43) v1(51.05,13.97) v1(51.31,27.18) v1(51.31,25.02) v1(51.31,22.73) v1(51.31,20.57) v1(51.31,18.42) v1(52.71,19.43) v1(52.71,17.27) v1(52.71,15.11)
/toESP: length 26
  Top w0.18: v1(25.22,34.87) 25.43,34.66 U1.59 ; J2.1 5.77,33.4 v1(5.9,33.27)
  Bottom w0.18: v1(25.22,34.87) 21.02,30.67 8.5,30.67 v1(5.9,33.27)
/XRES: length 47.7
  Top w0.18: U1.28 25.83,23.5 v1(26.48,22.85)
  Bottom w0.18: J2.2 2.1,34.49 2.1,19.17 J4.3 21.28,17.65 v1(26.48,22.85)
Net-(C4-Pad2): length 1.8
  Top w0.25: C4.2 11.6,27 R1.1
Net-(C9-Pad1): length 3.7
  Top w0.25: R10.2 C9.1 37.85,28.93 TP22.1
Net-(C10-Pad1): length 3.5
  Top w0.25: R11.2 17.47,18.92 C11.1 ; R11.2 17.65,19.1 ; R11.2 17.65,17.48 C10.1 ; R11.2 17.65,19.09 17.48,18.92
Net-(C33-Pad2): length 1.9
  Top w0.5: C33.2 55.42,26.54 56.01,27.13
Net-(C41-Pad2): length 1.5
  Top w0.5: R24.1 55.58,35.56 C41.2
Net-(C50-Pad1): length 1.5
  Top w0.5: C50.1 R37.1
Net-(C52-Pad1): length 3.5
  Top w0.5: C52.1 50.04,8.89 R40.1
Net-(D1-A): length 4.1
  Top w0.25: D1.2 12.51,6.98 10.03,9.46 R6.1
Net-(D2-A): length 2.3
  Top w0.25: D2.2 11.81,8.86 R7.1
Net-(D7-A): length 4.3
  Top w0.5: J4.1 3.75,12.45 6.2,12.45 6.2,13.74 C19.1
Net-(D12-A): length 2.2
  Top w0.25: D12.2 47.88,17.65 R39.1
Net-(D13-A_/_C): length 4.4
  Top w0.25: D13.3 43.8,12.55 R41.1
  Top w0.5: R40.2 45.09,12.02 R41.1
Net-(IC1-A): length 7.7
  Top w0.25: 17.4,14.25 R13.1 17.25,13.99 16.51,14.73 16.51,16.64 15.91,17.23 IC1.1 IC1.2 14.35,17.77 C11.2
Net-(IC1-A/K): length 19
  Top w0.25: U3.3 22.1,11.61 C12.1 21.16,10.15 R14.1 21.21,8.84 R12.2 17.78,7.37 15.26,9.88 IC1.3
Net-(J1-Pin_1): length 38.4
  Top w0.18: v1(28.05,23.66) 27.03,24.67 U1.31
  Bottom w0.18: J1.1 2.48,25.91 2.48,19.46 3.15,18.79 21.58,18.79 26.45,23.66 v1(28.05,23.66)
Net-(J3-Pin_1): length 29.8
  Top w0.18: U1.58 25.83,35.54 v1(25.7,35.67)
  Bottom w0.18: v1(25.7,35.67) 25.28,35.67 20.69,31.08 12.05,31.08 J3.1
Net-(Q8-D): length 7.7
  Top w0.2: Q8.3 38.91,15.37 R43.1
  Top w0.25: R42.1 43.05,15.88 Q8.3
  Top w0.5: R41.2 45.09,15.11 R42.1
Net-(U1-ASK_TST): length 6.6
  Top w0.18: R10.1 34.89,28.81 33.05,28.81 32.64,29.23 U1.42
Net-(U1-COMP): length 10
  Top w0.18: 19.05,29.21 19.07,29.23 U1.10
  Top w0.2: 12.95,28.83 18.67,28.83 19.05,29.21
  Top w0.25: 12.95,28.83 11.43,28.83 C3.2
Net-(U1-LED1): length 26.4
  Top w0.18: v1(25.78,19.42) 25.78,22.18 25.03,22.93 U1.26 ; v1(10.67,12.57) 10.67,12.19 R6.2
  Bottom w0.18: v1(25.78,19.42) 25.78,18.54 19.81,12.57 v1(10.67,12.57)
Net-(U1-LED2): length 25
  Top w0.18: v1(26.37,20.45) 26.37,22.12 25.43,23.06 U1.27 ; v1(12.95,11.94) 12.17,11.94 R7.2
  Bottom w0.18: v1(12.95,11.94) 19.81,11.94 26.37,18.5 v1(26.37,20.45)
Net-(U1-PWM_IN1): length 6.3
  Top w0.18: U1.22 23.43,24.07 TP21.1 ; U1.20 22.63,24.23 TP21.1 ; TP21.1 23.03,23.83 U1.21
Net-(U1-SW2_0): length 2.4
  Top w0.18: R8.2 18.97,30.43 U1.7
Net-(U1-VBB_0): length 4.9
  Top w0.18: 16.51,30.99 16.74,31.22 19.18,31.22 19.57,30.83 U1.6
Net-(U1-VBRG): length 10.4
  Top w0.15: 19.38,27.48 19.38,27.55 19.86,28.03 20.15,28.03
  Top w0.18: U1.13 20.15,28.03
  Top w0.25: 19.38,27.48 19.38,27.09 17.62,25.33 15.19,25.33 C7.2
  Top w0.5: C7.2 13.21,25.91 12.7,25.4 R29.2
Net-(U1-VBRG_DIS): length 10.5
  Top w0.15: U1.14 20.14,27.63 20.07,27.56
  Top w0.18: C8.2 14.1,24.77 17.78,24.77
  Top w0.2: 20.07,27.56 20.07,27.17 17.78,24.77
  Top w0.5: R30.2 12.88,24.48 13.81,24.48 C8.2
Net-(U1-VCCD): length 9.4
  Top w0.18: U1.62 24.23,36.42 24.69,36.88 C1.1
  Top w0.25: C1.1 24.69,41.86 24.13,42.42 TP23.1
Net-(U3-+INB): length 11.6
  Top w0.25: 26.8,9.02 26.8,9.53 U3.5 ; U3.5 30.65,10.96 R18.1 ; U3.5 27.31,10.96 24.89,13.38 R17.2
Net-(U3--INA): length 10.5
  Top w0.25: 17.41,11.92 R13.2 ; R13.2 17.48,11.99 17.48,8.94 C14.2 17.41,9.01 ; R13.2 17.7,12.12 C15.1 20.65,12.12 R16.1 20.9,12.26 U3.2
Net-(U3--INB): length 17.8
  Top w0.25: U3.6 28.33,11.51 31.55,11.51 31.91,11.14 31.91,10 30.8,8.89 C13.1 30.27,8.86 R15.1 29.15,6.24 26.27,6.24 25.91,6.6 TP4.1 25.4,7.11 23.62,8.89 R14.2
Net-(U3-OUTA): length 9.7
  Top w0.25: R16.2 20.82,14.01 TP2.1 ; R16.2 19.22,13.89 C15.2 ; R16.2 20.91,13.89 21.89,12.91 U3.1 23.79,14.26 R17.1

## Copper pours and planes (outline as drawn; the poured copper is in the pictures)
GND on Top, Bottom: 0,66.04 66.04,66.04 66.04,0 0,0
PVIN_0 on Top, Bottom: 1.65,49.07 8.05,49.07 14.22,55.12 18.92,55.12 18.92,53.17 19,52.42 19,50.17 13.73,44.87 1.65,44.84
/COIL_SNS on Top, Bottom: 56.01,12.7 56.01,19.82 55,20.26 55,25.57 65.28,25.53 65.28,12.7 58.17,7.37 51.56,7.37 51.56,9.4
/IIN_CS0_N on Top: 19.7,52.42 19.3,53.22 19.3,54.86 22.73,54.86 22.73,52.96 26.42,52.96 26.42,50.17 19.7,50.17
/IOUT_CSN_0 on Top: 46.23,43.18 50.8,47.24 50.8,47.63 53.09,47.63 53.09,45.72 51.72,44.42 51.72,41.18 48.67,39.5 48.67,37.21 49.68,35.27 49.68,31.78 48.67,30.74 48.67,28.45 46.26,28.45 46.26,30.73 46.26,39.49
/IOUT_CSP_0 on Top: 37.08,57.15 53.85,57.15 53.85,48.77 50.8,48.77 50.8,49.02 49.4,50.55 37.08,50.54
/SW1_0 on Top: 32,53.34 32,57.54 26.11,57.53 23.82,57.53 23.82,55.12 24.38,54.36 24.38,53.34
/SW1_1 on Top: 49.21,38.85 50.16,38.85 50.68,39.54 53.09,39.54 53.09,34.8 51.59,34.83 49.21,37.21
/SW1_1 on Bottom: 50.67,39.62 65.28,39.62 65.28,26.42 57.4,26.42 57.4,29.21 49.15,37.21 49.15,38.86 50.16,38.86
/SW2_1 on Top: 50.8,30.73 53.24,30.74 53.24,28.45 53.24,25.81 54.05,25.52 54.05,20.38 55.12,19.82 55.12,12.7 51.81,12.7 49.21,15.3 49.21,28.44 49.21,30.09 50.15,30.09
/SW2_1 on Bottom: 50.8,30.73 53.24,30.74 53.24,28.45 53.24,25.81 55.12,25.12 55.12,12.7 51.81,12.7 49.21,15.3 49.21,28.44 49.21,30.09 50.15,30.09

## Text on the board
F.Silkscreen: I2C Pro. | UART | ToESP
User.1: xres | GPIO PIN 24 | Power | GND
